# KiCad board PCB.kicad_pcb
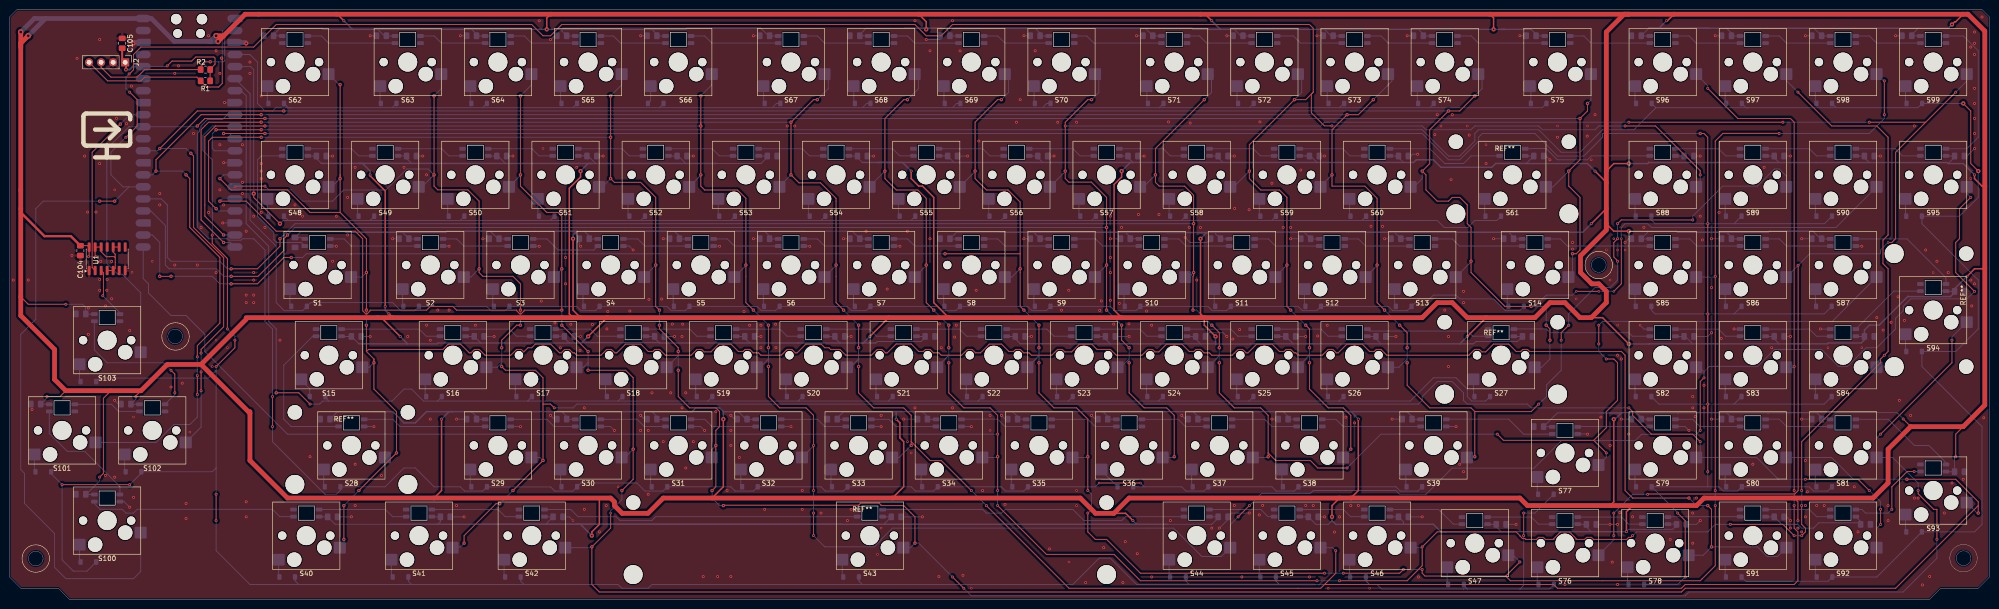
[diagram p0: board, top side]
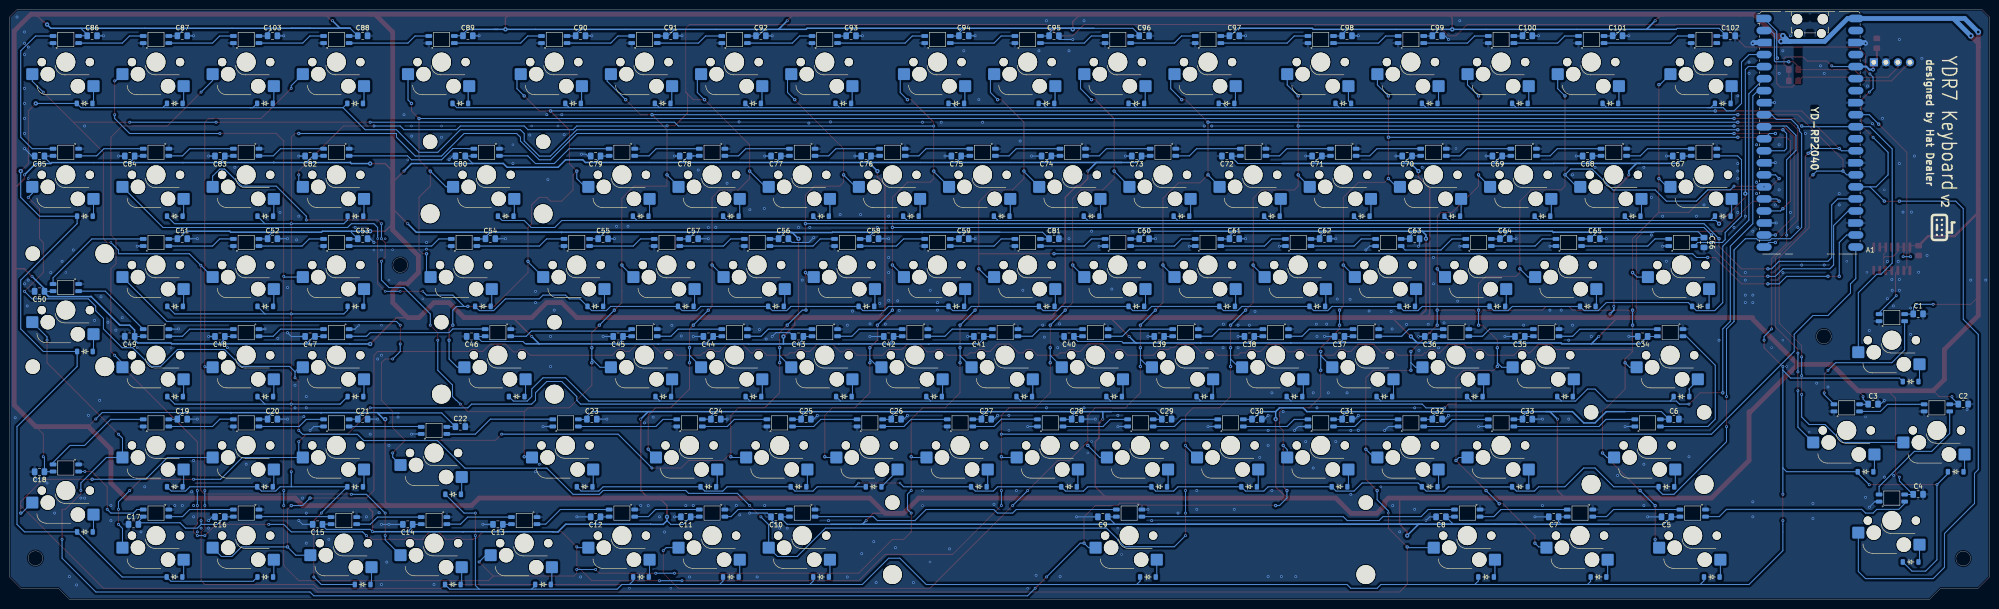
[diagram p1: board, bottom side, seen from below]

Outline 418.28 x 124.61 mm; copper layers: Top, Bottom. Coordinates in mm from the lower left corner of the outline.
Outline path: circle c5.56,8.66 r1.55 ; circle c35,55.56 r1.55 ; circle c335.74,70.64 r1.55 ; circle c412.8,8.73 r1.55 ; 0,4.76 0,123.02 1.59,124.61 416.69,124.61 418.28,123.02 418.28,4.76 415.9,2.38 407.96,2.38 405.58,0 12.7,0 10.32,2.38 2.38,2.38 0,4.76
Stack: Top 0.035mm / dielectric 1.51mm FR4 er 4.5 / Bottom 0.035mm

## Placement (name value [footprint] x y rotation side)
A1  YD-RP2040  [RaspberryPi_Pico_Common_SMD]  37.94 98.58 180 bottom
C1  100nF  [C_0805_2012Metric_Pad1.18x1.45mm_HandSolder]  15.08 60.32 180 bottom
C2  100nF  [C_0805_2012Metric_Pad1.18x1.45mm_HandSolder]  5.56 41.27 180 bottom
C3  100nF  [C_0805_2012Metric_Pad1.18x1.45mm_HandSolder]  24.6 41.27 180 bottom
C4  100nF  [C_0805_2012Metric_Pad1.18x1.45mm_HandSolder]  15.08 22.22 180 bottom
C5  100nF  [C_0805_2012Metric_Pad1.18x1.45mm_HandSolder]  68.26 17.46 0 bottom
C6  100nF  [C_0805_2012Metric_Pad1.18x1.45mm_HandSolder]  66.67 38.1 180 bottom
C7  100nF  [C_0805_2012Metric_Pad1.18x1.45mm_HandSolder]  92.07 17.46 0 bottom
C8  100nF  [C_0805_2012Metric_Pad1.18x1.45mm_HandSolder]  115.88 17.46 0 bottom
C9  100nF  [C_0805_2012Metric_Pad1.18x1.45mm_HandSolder]  187.31 17.46 0 bottom
C10  100nF  [C_0805_2012Metric_Pad1.18x1.45mm_HandSolder]  256.37 17.46 0 bottom
C11  100nF  [C_0805_2012Metric_Pad1.18x1.45mm_HandSolder]  275.41 17.46 0 bottom
C12  100nF  [C_0805_2012Metric_Pad1.18x1.45mm_HandSolder]  294.46 17.46 0 bottom
C13  100nF  [C_0805_2012Metric_Pad1.18x1.45mm_HandSolder]  315.1 15.87 0 bottom
C14  100nF  [C_0805_2012Metric_Pad1.18x1.45mm_HandSolder]  334.15 15.87 0 bottom
C15  100nF  [C_0805_2012Metric_Pad1.18x1.45mm_HandSolder]  353.2 15.87 0 bottom
C16  100nF  [C_0805_2012Metric_Pad1.18x1.45mm_HandSolder]  373.83 17.46 0 bottom
C17  100nF  [C_0805_2012Metric_Pad1.18x1.45mm_HandSolder]  392.09 15.87 0 bottom
C18  100nF  [C_0805_2012Metric_Pad1.18x1.45mm_HandSolder]  411.93 26.99 0 bottom
C19  100nF  [C_0805_2012Metric_Pad1.18x1.45mm_HandSolder]  381.77 38.1 180 bottom
C20  100nF  [C_0805_2012Metric_Pad1.18x1.45mm_HandSolder]  362.72 38.1 180 bottom
C21  100nF  [C_0805_2012Metric_Pad1.18x1.45mm_HandSolder]  343.67 38.1 180 bottom
C22  100nF  [C_0805_2012Metric_Pad1.18x1.45mm_HandSolder]  323.04 36.51 180 bottom
C23  100nF  [C_0805_2012Metric_Pad1.18x1.45mm_HandSolder]  295.26 38.1 180 bottom
C24  100nF  [C_0805_2012Metric_Pad1.18x1.45mm_HandSolder]  269.06 38.1 180 bottom
C25  100nF  [C_0805_2012Metric_Pad1.18x1.45mm_HandSolder]  250.02 38.1 180 bottom
C26  100nF  [C_0805_2012Metric_Pad1.18x1.45mm_HandSolder]  230.97 38.1 180 bottom
C27  100nF  [C_0805_2012Metric_Pad1.18x1.45mm_HandSolder]  211.92 38.1 180 bottom
C28  100nF  [C_0805_2012Metric_Pad1.18x1.45mm_HandSolder]  192.87 38.1 180 bottom
C29  100nF  [C_0805_2012Metric_Pad1.18x1.45mm_HandSolder]  173.82 38.1 180 bottom
C30  100nF  [C_0805_2012Metric_Pad1.18x1.45mm_HandSolder]  154.77 38.1 180 bottom
C31  100nF  [C_0805_2012Metric_Pad1.18x1.45mm_HandSolder]  135.72 38.1 180 bottom
C32  100nF  [C_0805_2012Metric_Pad1.18x1.45mm_HandSolder]  116.67 38.1 180 bottom
C33  100nF  [C_0805_2012Metric_Pad1.18x1.45mm_HandSolder]  97.63 38.1 180 bottom
C34  100nF  [C_0805_2012Metric_Pad1.18x1.45mm_HandSolder]  73.26 55.56 0 bottom
C35  100nF  [C_0805_2012Metric_Pad1.18x1.45mm_HandSolder]  99.21 55.56 0 bottom
C36  100nF  [C_0805_2012Metric_Pad1.18x1.45mm_HandSolder]  118.26 55.56 0 bottom
C37  100nF  [C_0805_2012Metric_Pad1.18x1.45mm_HandSolder]  137.31 55.56 0 bottom
C38  100nF  [C_0805_2012Metric_Pad1.18x1.45mm_HandSolder]  156.36 55.56 0 bottom
C39  100nF  [C_0805_2012Metric_Pad1.18x1.45mm_HandSolder]  175.41 55.56 0 bottom
C40  100nF  [C_0805_2012Metric_Pad1.18x1.45mm_HandSolder]  194.46 55.56 0 bottom
C41  100nF  [C_0805_2012Metric_Pad1.18x1.45mm_HandSolder]  213.51 55.56 0 bottom
C42  100nF  [C_0805_2012Metric_Pad1.18x1.45mm_HandSolder]  232.55 55.56 0 bottom
C43  100nF  [C_0805_2012Metric_Pad1.18x1.45mm_HandSolder]  251.6 55.56 0 bottom
C44  100nF  [C_0805_2012Metric_Pad1.18x1.45mm_HandSolder]  270.65 55.56 0 bottom
C45  100nF  [C_0805_2012Metric_Pad1.18x1.45mm_HandSolder]  289.7 55.56 0 bottom
C46  100nF  [C_0805_2012Metric_Pad1.18x1.45mm_HandSolder]  320.65 55.56 0 bottom
C47  100nF  [C_0805_2012Metric_Pad1.18x1.45mm_HandSolder]  354.78 55.56 0 bottom
C48  100nF  [C_0805_2012Metric_Pad1.18x1.45mm_HandSolder]  373.83 55.56 0 bottom
C49  100nF  [C_0805_2012Metric_Pad1.18x1.45mm_HandSolder]  392.88 55.56 0 bottom
C50  100nF  [C_0805_2012Metric_Pad1.18x1.45mm_HandSolder]  411.93 65.08 0 bottom
C51  100nF  [C_0805_2012Metric_Pad1.18x1.45mm_HandSolder]  381.77 76.2 180 bottom
C52  100nF  [C_0805_2012Metric_Pad1.18x1.45mm_HandSolder]  362.72 76.2 180 bottom
C53  100nF  [C_0805_2012Metric_Pad1.18x1.45mm_HandSolder]  343.67 76.2 180 bottom
C54  100nF  [C_0805_2012Metric_Pad1.18x1.45mm_HandSolder]  316.69 76.2 180 bottom
C55  100nF  [C_0805_2012Metric_Pad1.18x1.45mm_HandSolder]  292.88 76.2 180 bottom
C56  100nF  [C_0805_2012Metric_Pad1.18x1.45mm_HandSolder]  254.78 76.2 180 bottom
C57  100nF  [C_0805_2012Metric_Pad1.18x1.45mm_HandSolder]  273.83 76.2 180 bottom
C58  100nF  [C_0805_2012Metric_Pad1.18x1.45mm_HandSolder]  235.73 76.2 180 bottom
C59  100nF  [C_0805_2012Metric_Pad1.18x1.45mm_HandSolder]  216.68 76.2 180 bottom
C60  100nF  [C_0805_2012Metric_Pad1.18x1.45mm_HandSolder]  178.58 76.2 180 bottom
C61  100nF  [C_0805_2012Metric_Pad1.18x1.45mm_HandSolder]  159.53 76.2 180 bottom
C62  100nF  [C_0805_2012Metric_Pad1.18x1.45mm_HandSolder]  140.48 76.2 180 bottom
C63  100nF  [C_0805_2012Metric_Pad1.18x1.45mm_HandSolder]  121.44 76.2 180 bottom
C64  100nF  [C_0805_2012Metric_Pad1.18x1.45mm_HandSolder]  102.39 76.2 180 bottom
C65  100nF  [C_0805_2012Metric_Pad1.18x1.45mm_HandSolder]  83.34 76.2 180 bottom
C66  100nF  [C_0805_2012Metric_Pad1.18x1.45mm_HandSolder]  60.32 75.4 270 bottom
C67  100nF  [C_0805_2012Metric_Pad1.18x1.45mm_HandSolder]  65.88 93.66 0 bottom
C68  100nF  [C_0805_2012Metric_Pad1.18x1.45mm_HandSolder]  84.93 93.66 0 bottom
C69  100nF  [C_0805_2012Metric_Pad1.18x1.45mm_HandSolder]  103.97 93.66 0 bottom
C70  100nF  [C_0805_2012Metric_Pad1.18x1.45mm_HandSolder]  123.02 93.66 0 bottom
C71  100nF  [C_0805_2012Metric_Pad1.18x1.45mm_HandSolder]  142.07 93.66 0 bottom
C72  100nF  [C_0805_2012Metric_Pad1.18x1.45mm_HandSolder]  161.12 93.66 0 bottom
C73  100nF  [C_0805_2012Metric_Pad1.18x1.45mm_HandSolder]  180.17 93.66 0 bottom
C74  100nF  [C_0805_2012Metric_Pad1.18x1.45mm_HandSolder]  199.22 93.66 0 bottom
C75  100nF  [C_0805_2012Metric_Pad1.18x1.45mm_HandSolder]  218.27 93.66 0 bottom
C76  100nF  [C_0805_2012Metric_Pad1.18x1.45mm_HandSolder]  237.32 93.66 0 bottom
C77  100nF  [C_0805_2012Metric_Pad1.18x1.45mm_HandSolder]  256.37 93.66 0 bottom
C78  100nF  [C_0805_2012Metric_Pad1.18x1.45mm_HandSolder]  275.66 93.66 0 bottom
C79  100nF  [C_0805_2012Metric_Pad1.18x1.45mm_HandSolder]  294.46 93.66 0 bottom
C80  100nF  [C_0805_2012Metric_Pad1.18x1.45mm_HandSolder]  323.04 93.66 0 bottom
C81  100nF  [C_0805_2012Metric_Pad1.18x1.45mm_HandSolder]  197.63 76.2 180 bottom
C82  100nF  [C_0805_2012Metric_Pad1.18x1.45mm_HandSolder]  354.78 93.66 0 bottom
C83  100nF  [C_0805_2012Metric_Pad1.18x1.45mm_HandSolder]  373.83 93.66 0 bottom
C84  100nF  [C_0805_2012Metric_Pad1.18x1.45mm_HandSolder]  392.88 93.66 0 bottom
C85  100nF  [C_0805_2012Metric_Pad1.18x1.45mm_HandSolder]  411.93 93.66 0 bottom
C86  100nF  [C_0805_2012Metric_Pad1.18x1.45mm_HandSolder]  400.82 119.06 180 bottom
C87  100nF  [C_0805_2012Metric_Pad1.18x1.45mm_HandSolder]  381.77 119.06 180 bottom
C88  100nF  [C_0805_2012Metric_Pad1.18x1.45mm_HandSolder]  343.67 119.06 180 bottom
C89  100nF  [C_0805_2012Metric_Pad1.18x1.45mm_HandSolder]  321.45 119.06 180 bottom
C90  100nF  [C_0805_2012Metric_Pad1.18x1.45mm_HandSolder]  297.64 119.06 180 bottom
C91  100nF  [C_0805_2012Metric_Pad1.18x1.45mm_HandSolder]  278.59 119.06 180 bottom
C92  100nF  [C_0805_2012Metric_Pad1.18x1.45mm_HandSolder]  259.54 119.06 180 bottom
C93  100nF  [C_0805_2012Metric_Pad1.18x1.45mm_HandSolder]  240.49 119.06 180 bottom
C94  100nF  [C_0805_2012Metric_Pad1.18x1.45mm_HandSolder]  216.68 119.06 180 bottom
C95  100nF  [C_0805_2012Metric_Pad1.18x1.45mm_HandSolder]  197.63 119.06 180 bottom
C96  100nF  [C_0805_2012Metric_Pad1.18x1.45mm_HandSolder]  178.58 119.06 180 bottom
C97  100nF  [C_0805_2012Metric_Pad1.18x1.45mm_HandSolder]  159.53 119.06 180 bottom
C98  100nF  [C_0805_2012Metric_Pad1.18x1.45mm_HandSolder]  135.72 119.06 180 bottom
C99  100nF  [C_0805_2012Metric_Pad1.18x1.45mm_HandSolder]  116.67 119.06 180 bottom
C100  100nF  [C_0805_2012Metric_Pad1.18x1.45mm_HandSolder]  97.63 119.06 180 bottom
C101  100nF  [C_0805_2012Metric_Pad1.18x1.45mm_HandSolder]  78.58 119.06 180 bottom
C102  100nF  [C_0805_2012Metric_Pad1.18x1.45mm_HandSolder]  54.77 119.06 180 bottom
C103  100nF  [C_0805_2012Metric_Pad1.18x1.45mm_HandSolder]  362.72 119.06 180 bottom
C104  100nF  [C_0805_2012Metric_Pad1.18x1.45mm_HandSolder]  14.98 73.69 270 top
C105  100nF  [C_0805_2012Metric_Pad1.18x1.45mm_HandSolder]  23.81 117.47 270 top
D1  Diode  [Diode_SOD-123]  61.18 61.91 180 bottom
D2  Diode  [Diode_SOD-123]  84.86 61.91 180 bottom
D3  Diode  [Diode_SOD-123]  103.97 61.91 180 bottom
D4  Diode  [Diode_SOD-123]  123.02 61.91 180 bottom
D5  Diode  [Diode_SOD-123]  142.01 61.91 180 bottom
D6  Diode  [Diode_SOD-123]  161.06 61.91 180 bottom
D7  Diode  [Diode_SOD-123]  180.23 61.91 180 bottom
D8  Diode  [Diode_SOD-123]  199.15 61.91 180 bottom
D9  Diode  [Diode_SOD-123]  218.27 61.91 180 bottom
D10  Diode  [Diode_SOD-123]  237.25 61.91 180 bottom
D11  Diode  [Diode_SOD-123]  256.36 61.91 180 bottom
D12  Diode  [Diode_SOD-123]  275.41 61.91 180 bottom
D13  Diode  [Diode_SOD-123]  294.52 61.91 180 bottom
D14  Diode  [Diode_SOD-123]  318.27 61.91 180 bottom
D15  Diode  [Diode_SOD-123]  65.08 42.86 180 bottom
D16  Diode  [Diode_SOD-123]  89.69 42.86 180 bottom
D17  Diode  [Diode_SOD-123]  108.74 42.86 180 bottom
D18  Diode  [Diode_SOD-123]  127.85 42.86 180 bottom
D19  Diode  [Diode_SOD-123]  146.83 42.86 180 bottom
D20  Diode  [Diode_SOD-123]  165.88 42.86 180 bottom
D21  Diode  [Diode_SOD-123]  184.93 42.86 180 bottom
D22  Diode  [Diode_SOD-123]  203.92 42.86 180 bottom
D23  Diode  [Diode_SOD-123]  222.97 42.86 180 bottom
D24  Diode  [Diode_SOD-123]  242.01 42.86 180 bottom
D25  Diode  [Diode_SOD-123]  261.13 42.86 180 bottom
D26  Diode  [Diode_SOD-123]  280.17 42.86 180 bottom
D27  Diode  [Diode_SOD-123]  311.13 42.86 180 bottom
D28  Diode  [Diode_SOD-123]  68.26 23.81 180 bottom
D29  Diode  [Diode_SOD-123]  99.21 23.81 180 bottom
D30  Diode  [Diode_SOD-123]  118.26 23.81 180 bottom
D31  Diode  [Diode_SOD-123]  137.31 23.81 180 bottom
D32  Diode  [Diode_SOD-123]  156.42 23.81 180 bottom
D33  Diode  [Diode_SOD-123]  175.41 23.81 180 bottom
D34  Diode  [Diode_SOD-123]  194.46 23.81 180 bottom
D35  Diode  [Diode_SOD-123]  213.5 23.81 180 bottom
D36  Diode  [Diode_SOD-123]  235.73 23.81 180 bottom
D37  Diode  [Diode_SOD-123]  251.6 23.81 180 bottom
D38  Diode  [Diode_SOD-123]  270.65 23.81 180 bottom
D39  Diode  [Diode_SOD-123]  296.78 23.81 180 bottom
D40  Diode  [Diode_SOD-123]  58.67 4.76 180 bottom
D41  Diode  [Diode_SOD-123]  82.61 4.76 180 bottom
D42  Diode  [Diode_SOD-123]  106.35 4.76 180 bottom
D43  Diode  [Diode_SOD-123]  177.79 4.76 180 bottom
D44  Diode  [Diode_SOD-123]  246.84 4.76 180 bottom
D45  Diode  [Diode_SOD-123]  265.89 4.76 180 bottom
D46  Diode  [Diode_SOD-123]  284.87 4.76 180 bottom
D47  Diode  [Diode_SOD-123]  305.57 3.17 180 bottom
D48  Diode  [Diode_SOD-123]  56.35 80.96 180 bottom
D49  Diode  [Diode_SOD-123]  75.4 80.96 180 bottom
D50  Diode  [Diode_SOD-123]  94.45 80.96 180 bottom
D51  Diode  [Diode_SOD-123]  113.5 80.96 180 bottom
D52  Diode  [Diode_SOD-123]  132.61 80.96 180 bottom
D53  Diode  [Diode_SOD-123]  151.6 80.96 180 bottom
D54  Diode  [Diode_SOD-123]  170.71 80.96 180 bottom
D55  Diode  [Diode_SOD-123]  189.69 80.96 180 bottom
D56  Diode  [Diode_SOD-123]  208.68 80.96 180 bottom
D57  Diode  [Diode_SOD-123]  227.85 80.96 180 bottom
D58  Diode  [Diode_SOD-123]  246.84 80.96 180 bottom
D59  Diode  [Diode_SOD-123]  265.89 80.96 180 bottom
D60  Diode  [Diode_SOD-123]  284.94 80.96 180 bottom
D61  Diode  [Diode_SOD-123]  313.45 80.96 180 bottom
D62  Diode  [Diode_SOD-123]  56.35 104.77 180 bottom
D63  Diode  [Diode_SOD-123]  80.1 104.77 180 bottom
D64  Diode  [Diode_SOD-123]  99.21 104.77 180 bottom
D65  Diode  [Diode_SOD-123]  118.26 104.77 180 bottom
D66  Diode  [Diode_SOD-123]  136.52 104.77 180 bottom
D67  Diode  [Diode_SOD-123]  161.18 104.77 180 bottom
D68  Diode  [Diode_SOD-123]  180.23 104.77 180 bottom
D69  Diode  [Diode_SOD-123]  199.22 104.77 180 bottom
D70  Diode  [Diode_SOD-123]  218.27 104.77 180 bottom
D71  Diode  [Diode_SOD-123]  242.14 104.77 180 bottom
D72  Diode  [Diode_SOD-123]  261.19 104.77 180 bottom
D73  Diode  [Diode_SOD-123]  280.3 104.77 180 bottom
D74  Diode  [Diode_SOD-123]  299.22 104.77 180 bottom
D75  Diode  [Diode_SOD-123]  323.04 104.77 180 bottom
D76  Diode  [Diode_SOD-123]  324.62 3.17 180 bottom
D77  Diode  [Diode_SOD-123]  324.56 22.22 180 bottom
D78  Diode  [Diode_SOD-123]  343.67 3.17 180 bottom
D79  Diode  [Diode_SOD-123]  345.26 23.81 180 bottom
D80  Diode  [Diode_SOD-123]  364.31 23.81 180 bottom
D81  Diode  [Diode_SOD-123]  383.36 23.81 180 bottom
D82  Diode  [Diode_SOD-123]  345.2 42.86 180 bottom
D83  Diode  [Diode_SOD-123]  364.24 42.86 180 bottom
D84  Diode  [Diode_SOD-123]  383.29 42.86 180 bottom
D85  Diode  [Diode_SOD-123]  345.2 61.91 180 bottom
D86  Diode  [Diode_SOD-123]  364.24 61.91 180 bottom
D87  Diode  [Diode_SOD-123]  383.29 61.91 180 bottom
D88  Diode  [Diode_SOD-123]  345.2 80.96 180 bottom
D89  Diode  [Diode_SOD-123]  364.24 80.96 180 bottom
D90  Diode  [Diode_SOD-123]  383.36 80.96 180 bottom
D91  Diode  [Diode_SOD-123]  364.24 4.76 180 bottom
D92  Diode  [Diode_SOD-123]  383.42 4.76 180 bottom
D93  Diode  [Diode_SOD-123]  402.34 14.29 180 bottom
D94  Diode  [Diode_SOD-123]  402.34 52.38 180 bottom
D95  Diode  [Diode_SOD-123]  402.34 80.96 180 bottom
D96  Diode  [Diode_SOD-123]  345.26 104.77 180 bottom
D97  Diode  [Diode_SOD-123]  364.31 104.77 180 bottom
D98  Diode  [Diode_SOD-123]  383.36 104.77 180 bottom
D99  Diode  [Diode_SOD-123]  402.4 104.77 180 bottom
D100  Diode  [Diode_SOD-123]  16.67 7.94 180 bottom
D101  Diode  [Diode_SOD-123]  7.14 26.99 180 bottom
D102  Diode  [Diode_SOD-123]  26.19 26.99 180 bottom
D103  Diode  [Diode_SOD-123]  16.67 46.03 180 bottom
D104  SK6812MINI  [LED_SK6812MINI]  20.64 59.53 180 bottom
D105  SK6812MINI  [LED_SK6812MINI]  30.16 40.48 180 bottom
D106  SK6812MINI  [LED_SK6812MINI]  11.11 40.48 180 bottom
D107  SK6812MINI  [LED_SK6812MINI]  20.64 21.43 180 bottom
D108  SK6812MINI  [LED_SK6812MINI]  62.7 18.26 0 bottom
D109  SK6812MINI  [LED_SK6812MINI]  86.51 18.26 0 bottom
D110  SK6812MINI  [LED_SK6812MINI]  110.32 18.26 0 bottom
D111  SK6812MINI  [LED_SK6812MINI]  181.76 18.26 0 bottom
D112  SK6812MINI  [LED_SK6812MINI]  250.81 18.26 0 bottom
D113  SK6812MINI  [LED_SK6812MINI]  269.86 18.26 0 bottom
D114  SK6812MINI  [LED_SK6812MINI]  288.91 18.26 0 bottom
D115  SK6812MINI  [LED_SK6812MINI]  309.54 16.67 0 bottom
D116  SK6812MINI  [LED_SK6812MINI]  328.59 16.67 0 bottom
D117  SK6812MINI  [LED_SK6812MINI]  347.64 16.67 0 bottom
D118  SK6812MINI  [LED_SK6812MINI]  368.28 18.26 0 bottom
D119  SK6812MINI  [LED_SK6812MINI]  387.33 18.26 0 bottom
D120  SK6812MINI  [LED_SK6812MINI]  406.37 27.78 0 bottom
D121  SK6812MINI  [LED_SK6812MINI]  387.33 37.3 180 bottom
D122  SK6812MINI  [LED_SK6812MINI]  368.28 37.3 180 bottom
D123  SK6812MINI  [LED_SK6812MINI]  349.23 37.3 180 bottom
D124  SK6812MINI  [LED_SK6812MINI]  328.59 35.72 180 bottom
D125  SK6812MINI  [LED_SK6812MINI]  300.81 37.3 180 bottom
D126  SK6812MINI  [LED_SK6812MINI]  274.62 37.3 180 bottom
D127  SK6812MINI  [LED_SK6812MINI]  255.57 37.3 180 bottom
D128  SK6812MINI  [LED_SK6812MINI]  236.52 37.3 180 bottom
D129  SK6812MINI  [LED_SK6812MINI]  217.47 37.3 180 bottom
D130  SK6812MINI  [LED_SK6812MINI]  198.43 37.3 180 bottom
D131  SK6812MINI  [LED_SK6812MINI]  179.38 37.3 180 bottom
D132  SK6812MINI  [LED_SK6812MINI]  160.33 37.3 180 bottom
D133  SK6812MINI  [LED_SK6812MINI]  141.28 37.3 180 bottom
D134  SK6812MINI  [LED_SK6812MINI]  122.23 37.3 180 bottom
D135  SK6812MINI  [LED_SK6812MINI]  103.18 37.3 180 bottom
D136  SK6812MINI  [LED_SK6812MINI]  72.23 37.3 180 bottom
D137  SK6812MINI  [LED_SK6812MINI]  67.46 56.35 0 bottom
D138  SK6812MINI  [LED_SK6812MINI]  93.66 56.35 0 bottom
D139  SK6812MINI  [LED_SK6812MINI]  112.71 56.35 0 bottom
D140  SK6812MINI  [LED_SK6812MINI]  131.75 56.35 0 bottom
D141  SK6812MINI  [LED_SK6812MINI]  150.8 56.35 0 bottom
D142  SK6812MINI  [LED_SK6812MINI]  169.85 56.35 0 bottom
D143  SK6812MINI  [LED_SK6812MINI]  188.9 56.35 0 bottom
D144  SK6812MINI  [LED_SK6812MINI]  207.95 56.35 0 bottom
D145  SK6812MINI  [LED_SK6812MINI]  227 56.35 0 bottom
D146  SK6812MINI  [LED_SK6812MINI]  246.05 56.35 0 bottom
D147  SK6812MINI  [LED_SK6812MINI]  265.1 56.35 0 bottom
D148  SK6812MINI  [LED_SK6812MINI]  284.14 56.35 0 bottom
D149  SK6812MINI  [LED_SK6812MINI]  315.1 56.35 0 bottom
D150  SK6812MINI  [LED_SK6812MINI]  349.23 56.35 0 bottom
D151  SK6812MINI  [LED_SK6812MINI]  368.28 56.35 0 bottom
D152  SK6812MINI  [LED_SK6812MINI]  387.33 56.35 0 bottom
D153  SK6812MINI  [LED_SK6812MINI]  406.37 65.88 0 bottom
D154  SK6812MINI  [LED_SK6812MINI]  387.33 75.4 180 bottom
D155  SK6812MINI  [LED_SK6812MINI]  368.28 75.4 180 bottom
D156  SK6812MINI  [LED_SK6812MINI]  349.23 75.4 180 bottom
D157  SK6812MINI  [LED_SK6812MINI]  322.24 75.4 180 bottom
D158  SK6812MINI  [LED_SK6812MINI]  298.43 75.4 180 bottom
D159  SK6812MINI  [LED_SK6812MINI]  279.38 75.4 180 bottom
D160  SK6812MINI  [LED_SK6812MINI]  260.33 75.4 180 bottom
D161  SK6812MINI  [LED_SK6812MINI]  241.28 75.4 180 bottom
D162  SK6812MINI  [LED_SK6812MINI]  222.24 75.4 180 bottom
D163  SK6812MINI  [LED_SK6812MINI]  203.19 75.4 180 bottom
D164  SK6812MINI  [LED_SK6812MINI]  184.14 75.4 180 bottom
D165  SK6812MINI  [LED_SK6812MINI]  165.09 75.4 180 bottom
D166  SK6812MINI  [LED_SK6812MINI]  146.04 75.4 180 bottom
D167  SK6812MINI  [LED_SK6812MINI]  126.99 75.4 180 bottom
D168  SK6812MINI  [LED_SK6812MINI]  107.94 75.4 180 bottom
D169  SK6812MINI  [LED_SK6812MINI]  88.89 75.4 180 bottom
D170  SK6812MINI  [LED_SK6812MINI]  65.08 75.4 180 bottom
D171  SK6812MINI  [LED_SK6812MINI]  60.32 94.45 0 bottom
D172  SK6812MINI  [LED_SK6812MINI]  79.37 94.45 0 bottom
D173  SK6812MINI  [LED_SK6812MINI]  98.42 94.45 0 bottom
D174  SK6812MINI  [LED_SK6812MINI]  117.47 94.45 0 bottom
D175  SK6812MINI  [LED_SK6812MINI]  136.52 94.45 0 bottom
D176  SK6812MINI  [LED_SK6812MINI]  155.57 94.45 0 bottom
D177  SK6812MINI  [LED_SK6812MINI]  174.61 94.45 0 bottom
D178  SK6812MINI  [LED_SK6812MINI]  193.66 94.45 0 bottom
D179  SK6812MINI  [LED_SK6812MINI]  212.71 94.45 0 bottom
D180  SK6812MINI  [LED_SK6812MINI]  231.76 94.45 0 bottom
D181  SK6812MINI  [LED_SK6812MINI]  250.81 94.45 0 bottom
D182  SK6812MINI  [LED_SK6812MINI]  269.86 94.45 0 bottom
D183  SK6812MINI  [LED_SK6812MINI]  288.91 94.45 0 bottom
D184  SK6812MINI  [LED_SK6812MINI]  317.48 94.45 0 bottom
D185  SK6812MINI  [LED_SK6812MINI]  349.23 94.45 0 bottom
D186  SK6812MINI  [LED_SK6812MINI]  368.28 94.45 0 bottom
D187  SK6812MINI  [LED_SK6812MINI]  387.33 94.45 0 bottom
D188  SK6812MINI  [LED_SK6812MINI]  406.37 94.45 0 bottom
D189  SK6812MINI  [LED_SK6812MINI]  406.37 118.26 180 bottom
D190  SK6812MINI  [LED_SK6812MINI]  387.33 118.26 180 bottom
D191  SK6812MINI  [LED_SK6812MINI]  368.28 118.26 180 bottom
D192  SK6812MINI  [LED_SK6812MINI]  349.23 118.26 180 bottom
D193  SK6812MINI  [LED_SK6812MINI]  327 118.26 180 bottom
D194  SK6812MINI  [LED_SK6812MINI]  303.19 118.26 180 bottom
D195  SK6812MINI  [LED_SK6812MINI]  284.14 118.26 180 bottom
D196  SK6812MINI  [LED_SK6812MINI]  265.1 118.26 180 bottom
D197  SK6812MINI  [LED_SK6812MINI]  246.05 118.26 180 bottom
D198  SK6812MINI  [LED_SK6812MINI]  222.24 118.26 180 bottom
D199  SK6812MINI  [LED_SK6812MINI]  203.19 118.26 180 bottom
D200  SK6812MINI  [LED_SK6812MINI]  184.14 118.26 180 bottom
D201  SK6812MINI  [LED_SK6812MINI]  165.09 118.26 180 bottom
D202  SK6812MINI  [LED_SK6812MINI]  141.28 118.26 180 bottom
D203  SK6812MINI  [LED_SK6812MINI]  122.23 118.26 180 bottom
D204  SK6812MINI  [LED_SK6812MINI]  103.18 118.26 180 bottom
D205  SK6812MINI  [LED_SK6812MINI]  84.13 118.26 180 bottom
D206  SK6812MINI  [LED_SK6812MINI]  60.32 118.26 180 bottom
J2  Conn_OLED_I2C  [PinHeader_1x04_P2.54mm_Vertical]  24.44 113.45 270 top
R1  4k7  [R_0805_2012Metric_Pad1.20x1.40mm_HandSolder]  41.39 109.53 180 top
R2  4k7  [R_0805_2012Metric_Pad1.20x1.40mm_HandSolder]  41.39 111.91 180 top
REF**  -  [Stabilizer_MX_2.00u]  317.48 89.69 0 top
REF**#2  -  [Stabilizer_MX_2.00u]  315.1 51.59 0 top
REF**#3  -  [Stabilizer_MX_2.00u]  72.23 32.54 0 top
REF**#4  -  [Stabilizer_MX_2.00u]  406.37 61.11 270 top
REF**#5  -  [Stabilizer_MX_6.25u]  181.76 13.49 0 top
S1  Keyswitch  [Hotswap_MX_1.50u]  65.08 70.64 180 top
S2  Keyswitch  [Hotswap_MX_1.00u]  88.89 70.64 180 top
S3  Keyswitch  [Hotswap_MX_1.00u]  107.94 70.64 180 top
S4  Keyswitch  [Hotswap_MX_1.00u]  126.99 70.64 180 top
S5  Keyswitch  [Hotswap_MX_1.00u]  146.04 70.64 180 top
S6  Keyswitch  [Hotswap_MX_1.00u]  165.09 70.64 180 top
S7  Keyswitch  [Hotswap_MX_1.00u]  184.14 70.64 180 top
S8  Keyswitch  [Hotswap_MX_1.00u]  203.19 70.64 180 top
S9  Keyswitch  [Hotswap_MX_1.00u]  222.24 70.64 180 top
S10  Keyswitch  [Hotswap_MX_1.00u]  241.29 70.64 180 top
S11  Keyswitch  [Hotswap_MX_1.00u]  260.34 70.64 180 top
S12  Keyswitch  [Hotswap_MX_1.00u]  279.39 70.64 180 top
S13  Keyswitch  [Hotswap_MX_1.00u]  298.44 70.64 180 top
S14  Keyswitch  [Hotswap_MX_1.50u]  322.24 70.64 180 top
S15  Keyswitch  [Hotswap_MX_1.75u]  67.46 51.59 180 top
S16  Keyswitch  [Hotswap_MX_1.00u]  93.66 51.59 180 top
S17  Keyswitch  [Hotswap_MX_1.00u]  112.7 51.59 180 top
S18  Keyswitch  [Hotswap_MX_1.00u]  131.75 51.59 180 top
S19  Keyswitch  [Hotswap_MX_1.00u]  150.8 51.59 180 top
S20  Keyswitch  [Hotswap_MX_1.00u]  169.85 51.59 180 top
S21  Keyswitch  [Hotswap_MX_1.00u]  188.9 51.59 180 top
S22  Keyswitch  [Hotswap_MX_1.00u]  207.95 51.59 180 top
S23  Keyswitch  [Hotswap_MX_1.00u]  227 51.59 180 top
S24  Keyswitch  [Hotswap_MX_1.00u]  246.05 51.59 180 top
S25  Keyswitch  [Hotswap_MX_1.00u]  265.09 51.59 180 top
S26  Keyswitch  [Hotswap_MX_1.00u]  284.14 51.59 180 top
S27  Keyswitch  [Hotswap_MX_2.25u]  315.1 51.59 180 top
S28  Keyswitch  [Hotswap_MX_2.25u]  72.23 32.54 180 top
S29  Keyswitch  [Hotswap_MX_1.00u]  103.18 32.54 180 top
S30  Keyswitch  [Hotswap_MX_1.00u]  122.23 32.54 180 top
S31  Keyswitch  [Hotswap_MX_1.00u]  141.28 32.54 180 top
S32  Keyswitch  [Hotswap_MX_1.00u]  160.33 32.54 180 top
S33  Keyswitch  [Hotswap_MX_1.00u]  179.38 32.54 180 top
S34  Keyswitch  [Hotswap_MX_1.00u]  198.42 32.54 180 top
S35  Keyswitch  [Hotswap_MX_1.00u]  217.47 32.54 180 top
S36  Keyswitch  [Hotswap_MX_1.00u]  236.52 32.54 180 top
S37  Keyswitch  [Hotswap_MX_1.00u]  255.57 32.54 180 top
S38  Keyswitch  [Hotswap_MX_1.00u]  274.62 32.54 180 top
S39  Keyswitch  [Hotswap_MX_1.75u]  300.81 32.54 180 top
S40  Keyswitch  [Hotswap_MX_1.25u]  62.7 13.49 180 top
S41  Keyswitch  [Hotswap_MX_1.25u]  86.51 13.49 180 top
S42  Keyswitch  [Hotswap_MX_1.25u]  110.32 13.49 180 top
S43  Keyswitch  [Hotswap_MX_6.25u]  181.76 13.49 180 top
S44  Keyswitch  [Hotswap_MX_1.00u]  250.81 13.49 180 top
S45  Keyswitch  [Hotswap_MX_1.00u]  269.86 13.49 180 top
S46  Keyswitch  [Hotswap_MX_1.00u]  288.91 13.49 180 top
S47  Keyswitch  [Hotswap_MX_1.00u]  309.54 11.91 180 top
S48  Keyswitch  [Hotswap_MX_1.00u]  60.32 89.69 180 top
S49  Keyswitch  [Hotswap_MX_1.00u]  79.37 89.69 180 top
S50  Keyswitch  [Hotswap_MX_1.00u]  98.42 89.69 180 top
S51  Keyswitch  [Hotswap_MX_1.00u]  117.47 89.69 180 top
S52  Keyswitch  [Hotswap_MX_1.00u]  136.52 89.69 180 top
S53  Keyswitch  [Hotswap_MX_1.00u]  155.56 89.69 180 top
S54  Keyswitch  [Hotswap_MX_1.00u]  174.61 89.69 180 top
S55  Keyswitch  [Hotswap_MX_1.00u]  193.66 89.69 180 top
S56  Keyswitch  [Hotswap_MX_1.00u]  212.71 89.69 180 top
S57  Keyswitch  [Hotswap_MX_1.00u]  231.76 89.69 180 top
S58  Keyswitch  [Hotswap_MX_1.00u]  250.81 89.69 180 top
S59  Keyswitch  [Hotswap_MX_1.00u]  269.86 89.69 180 top
S60  Keyswitch  [Hotswap_MX_1.00u]  288.91 89.69 180 top
S61  Keyswitch  [Hotswap_MX_2.00u]  317.48 89.69 180 top
S62  Keyswitch  [Hotswap_MX_1.00u]  60.32 113.5 180 top
S63  Keyswitch  [Hotswap_MX_1.00u]  84.13 113.5 180 top
S64  Keyswitch  [Hotswap_MX_1.00u]  103.18 113.5 180 top
S65  Keyswitch  [Hotswap_MX_1.00u]  122.23 113.5 180 top
S66  Keyswitch  [Hotswap_MX_1.00u]  141.28 113.5 180 top
S67  Keyswitch  [Hotswap_MX_1.00u]  165.09 113.5 180 top
S68  Keyswitch  [Hotswap_MX_1.00u]  184.14 113.5 180 top
S69  Keyswitch  [Hotswap_MX_1.00u]  203.19 113.5 180 top
S70  Keyswitch  [Hotswap_MX_1.00u]  222.24 113.5 180 top
S71  Keyswitch  [Hotswap_MX_1.00u]  246.05 113.5 180 top
S72  Keyswitch  [Hotswap_MX_1.00u]  265.1 113.5 180 top
S73  Keyswitch  [Hotswap_MX_1.00u]  284.14 113.5 180 top
S74  Keyswitch  [Hotswap_MX_1.00u]  303.19 113.5 180 top
S75  Keyswitch  [Hotswap_MX_1.00u]  327 113.5 180 top
S76  Keyswitch  [Hotswap_MX_1.00u]  328.59 11.91 180 top
S77  Keyswitch  [Hotswap_MX_1.00u]  328.59 30.95 180 top
S78  Keyswitch  [Hotswap_MX_1.00u]  347.64 11.91 180 top
S79  Keyswitch  [Hotswap_MX_1.00u]  349.23 32.54 180 top
S80  Keyswitch  [Hotswap_MX_1.00u]  368.28 32.54 180 top
S81  Keyswitch  [Hotswap_MX_1.00u]  387.32 32.54 180 top
S82  Keyswitch  [Hotswap_MX_1.00u]  349.23 51.59 180 top